# Altium PCB 宠物机器人&导购机器人.PcbDoc (part 2 of 14)
Units mil, origin at the board's own origin, x right, y up, seen from the top; angles counter-clockwise.
Board outline 6899.61 x 2204.72 mil, 2 copper layers (Top Layer, Bottom Layer); 229 components, 218 nets, 23463 pads, 263 vias.
Unrouted connection lines stored in the file: 107.
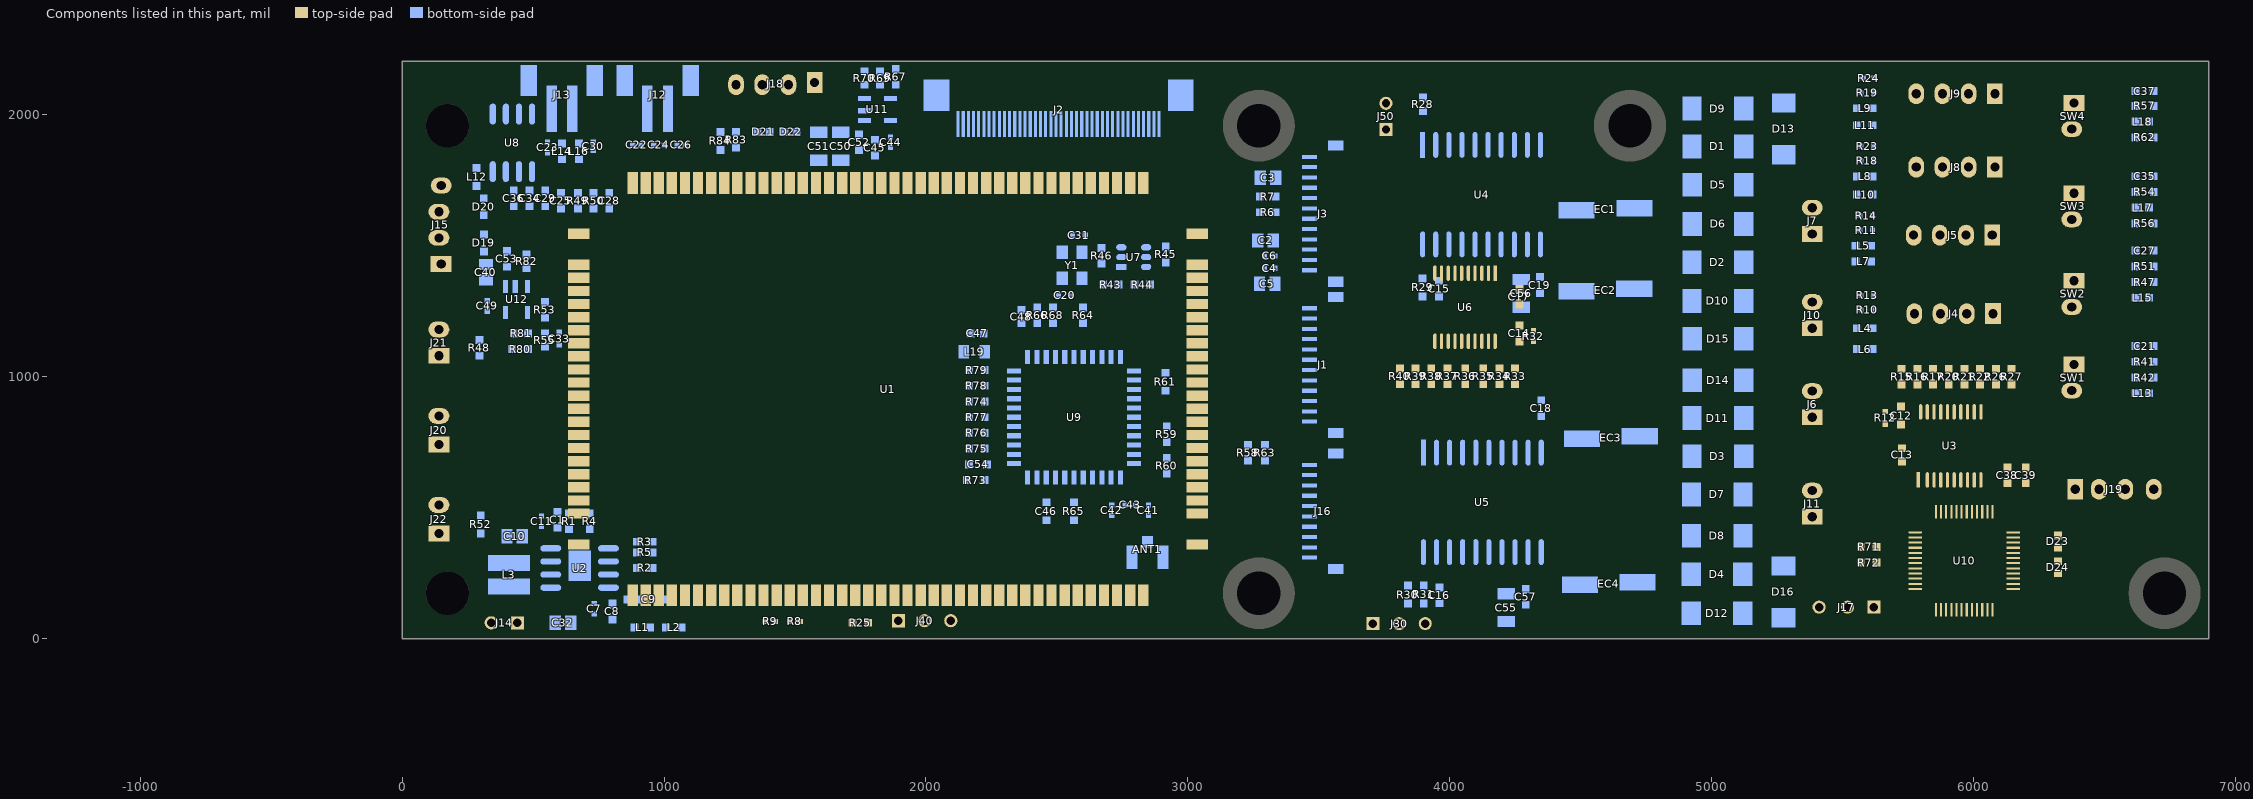
[diagram p2: the components of this part, seen from the top]

## Free pads (board coordinates)
  round 0.01 on Mech8: 1(-1218.48,-383.94) 1(-1218.48,-383.94) 1(-1218.48,-383.94) 1(-1218.48,-383.72) 1(-1218.48,-383.72) 1(-1218.48,-383.72) 1(-1218.48,-384.12) 1(-1218.48,-384.12) 1(-1218.48,-384.12) 1(-1218.48,-384.12) 1(-1218.48,-384.12) 1(-1218.48,-384.12) 1(-1218.48,-383.94) 1(-1218.48,-383.94) 1(-1218.48,-383.94) 1(-1218.48,-383.9) 1(-1218.48,-383.9) 1(-1218.48,-383.9) 1(-1218.48,-383.9) 1(-1218.48,-383.9) 1(-1218.48,-383.9) 1(-1218.48,-383.72) 1(-1218.48,-383.72) 1(-1218.48,-383.72) 1(-1218.44,-384.12) 1(-1218.44,-384.12) 1(-1218.44,-384.12) 1(-1218.44,-383.94) 1(-1218.44,-383.94) 1(-1218.44,-383.94) 1(-1218.44,-383.9) 1(-1218.44,-383.9) 1(-1218.44,-383.9) 1(-1218.44,-383.72) 1(-1218.44,-383.72) 1(-1218.44,-383.72) 1(-1218.43,-383.64) 1(-1218.43,-383.64) 1(-1218.43,-383.64) 1(-1218.43,-383.64) 1(-1218.43,-383.64) 1(-1218.43,-383.64) 1(-1218.43,-383.34) 1(-1218.43,-383.34) 1(-1218.43,-383.34) 1(-1218.43,-383.34) 1(-1218.43,-383.34) 1(-1218.43,-383.34) 1(-1218.42,-384.12) 1(-1218.42,-384.12) 1(-1218.42,-384.12) 1(-1218.42,-384.12) 1(-1218.42,-384.12) 1(-1218.42,-384.12) 1(-1218.42,-383.94) 1(-1218.42,-383.94) 1(-1218.42,-383.94) 1(-1218.42,-383.94) 1(-1218.42,-383.94) 1(-1218.42,-383.94) 1(-1218.42,-383.9) 1(-1218.42,-383.9) 1(-1218.42,-383.9) 1(-1218.42,-383.9) 1(-1218.42,-383.9) 1(-1218.42,-383.9) 1(-1218.42,-383.72) 1(-1218.42,-383.72) 1(-1218.42,-383.72) 1(-1218.42,-383.72) 1(-1218.42,-383.72) 1(-1218.42,-383.72) 1(-1218.41,-384.08) 1(-1218.41,-384.08) 1(-1218.41,-384.08) 1(-1218.41,-384) 1(-1218.41,-384) 1(-1218.41,-384) 1(-1218.41,-383.86) 1(-1218.41,-383.86) 1(-1218.41,-383.86) 1(-1218.41,-383.78) 1(-1218.41,-383.78) 1(-1218.41,-383.78) 1(-1218.28,-384.77) 1(-1218.28,-384.77) 1(-1218.28,-384.77) 1(-1218.28,-384.77) 1(-1218.28,-384.77) 1(-1218.28,-384.77) 1(-1218.28,-384.66) 1(-1218.28,-384.66) 1(-1218.28,-384.66) 1(-1218.28,-384.66) 1(-1218.28,-384.66) 1(-1218.28,-384.66) 1(-1218.22,-384.08) 1(-1218.22,-384.08) 1(-1218.22,-384.08) 1(-1218.22,-383.86) 1(-1218.22,-383.86) 1(-1218.22,-383.86) 1(-1218.22,-383.64) 1(-1218.22,-383.64) 1(-1218.22,-383.64) 1(-1218.22,-383.64) 1(-1218.22,-383.64) 1(-1218.22,-383.64) 1(-1218.22,-383.56) 1(-1218.22,-383.56) 1(-1218.22,-383.56) 1(-1218.22,-383.42) 1(-1218.22,-383.42) 1(-1218.22,-383.42) 1(-1218.22,-383.34) 1(-1218.22,-383.34) 1(-1218.22,-383.34) 1(-1218.22,-383.34) 1(-1218.22,-383.34) 1(-1218.22,-383.34) 1(-1218.22,-384) 1(-1218.22,-384) 1(-1218.22,-384) 1(-1218.22,-383.78) 1(-1218.22,-383.78) 1(-1218.22,-383.78) 1(-1218.2,-383.37) 1(-1218.2,-383.37) 1(-1218.2,-383.37) 1(-1218.2,-383.37) 1(-1218.2,-383.37) 1(-1218.2,-383.37) 1(-1218.2,-383.33) 1(-1218.2,-383.33) 1(-1218.2,-383.33) 1(-1218.2,-383.3) 1(-1218.2,-383.3) 1(-1218.2,-383.3) 1(-1218.2,-383.26) 1(-1218.2,-383.26) 1(-1218.2,-383.26) 1(-1218.2,-383.26) 1(-1218.2,-383.26) 1(-1218.2,-383.26) 1(-1218.18,-384.77) 1(-1218.18,-384.77) 1(-1218.18,-384.77) 1(-1218.18,-384.77) 1(-1218.18,-384.77) 1(-1218.18,-384.77) 1(-1218.18,-384.66) 1(-1218.18,-384.66) 1(-1218.18,-384.66) 1(-1218.18,-384.66) 1(-1218.18,-384.66) 1(-1218.18,-384.66) 1(-1218.15,-383.37) 1(-1218.15,-383.37) 1(-1218.15,-383.37) 1(-1218.15,-383.37) 1(-1218.15,-383.37) 1(-1218.15,-383.37) 1(-1218.15,-383.33) 1(-1218.15,-383.33) 1(-1218.15,-383.33) 1(-1218.15,-383.3) 1(-1218.15,-383.3) 1(-1218.15,-383.3) 1(-1218.15,-383.26) 1(-1218.15,-383.26) 1(-1218.15,-383.26) 1(-1218.15,-383.26) 1(-1218.15,-383.26) 1(-1218.15,-383.26) 1(-1218.15,-383.37) 1(-1218.15,-383.37) 1(-1218.15,-383.37) 1(-1218.15,-383.37) 1(-1218.15,-383.37) 1(-1218.15,-383.37) 1(-1218.15,-383.33) 1(-1218.15,-383.33) 1(-1218.15,-383.33) 1(-1218.15,-383.3) 1(-1218.15,-383.3) 1(-1218.15,-383.3) 1(-1218.15,-383.26) 1(-1218.15,-383.26) 1(-1218.15,-383.26) 1(-1218.15,-383.26) 1(-1218.15,-383.26) 1(-1218.15,-383.26) 1(-1218.13,-384.7) 1(-1218.13,-384.7) 1(-1218.13,-384.7) 1(-1218.13,-384.7) 1(-1218.13,-384.7) 1(-1218.13,-384.7) 1(-1218.13,-384.66) 1(-1218.13,-384.66) 1(-1218.13,-384.66) 1(-1218.13,-384.63) 1(-1218.13,-384.63) 1(-1218.13,-384.63) 1(-1218.13,-384.59) 1(-1218.13,-384.59) 1(-1218.13,-384.59) 1(-1218.13,-384.59) 1(-1218.13,-384.59) 1(-1218.13,-384.59) 1(-1218.1,-384.29) 1(-1218.1,-384.29) 1(-1218.1,-384.29) 1(-1218.1,-384.29) 1(-1218.1,-384.29) 1(-1218.1,-384.29) 1(-1218.1,-384.25) 1(-1218.1,-384.25) 1(-1218.1,-384.25) 1(-1218.1,-384.22) 1(-1218.1,-384.22) 1(-1218.1,-384.22) 1(-1218.1,-384.18) 1(-1218.1,-384.18) 1(-1218.1,-384.18) 1(-1218.1,-384.18) 1(-1218.1,-384.18) 1(-1218.1,-384.18) 1(-1218.1,-383.37) 1(-1218.1,-383.37) 1(-1218.1,-383.37) 1(-1218.1,-383.37) 1(-1218.1,-383.37) 1(-1218.1,-383.37) 1(-1218.1,-383.33) 1(-1218.1,-383.33) 1(-1218.1,-383.33) 1(-1218.1,-383.3) 1(-1218.1,-383.3) 1(-1218.1,-383.3) 1(-1218.1,-383.26) 1(-1218.1,-383.26) 1(-1218.1,-383.26) 1(-1218.1,-383.26) 1(-1218.1,-383.26) 1(-1218.1,-383.26) 1(-1218.08,-384.58) 1(-1218.08,-384.58) 1(-1218.08,-384.58) 1(-1218.08,-384.58) 1(-1218.08,-384.58) 1(-1218.08,-384.58) 1(-1218.08,-384.53) 1(-1218.08,-384.53) 1(-1218.08,-384.53) 1(-1218.08,-384.53) 1(-1218.08,-384.53) 1(-1218.08,-384.53) 1(-1218.08,-384.82) 1(-1218.08,-384.82) 1(-1218.08,-384.82) 1(-1218.08,-384.82) 1(-1218.08,-384.82) 1(-1218.08,-384.82) 1(-1218.08,-384.78) 1(-1218.08,-384.78) 1(-1218.08,-384.78) 1(-1218.08,-384.75) 1(-1218.08,-384.75) 1(-1218.08,-384.75) 1(-1218.08,-384.71) 1(-1218.08,-384.71) 1(-1218.08,-384.71) 1(-1218.08,-384.71) 1(-1218.08,-384.71) 1(-1218.08,-384.71) 1(-1218.08,-384.7) 1(-1218.08,-384.7) 1(-1218.08,-384.7) 1(-1218.08,-384.7) 1(-1218.08,-384.7) 1(-1218.08,-384.7) 1(-1218.08,-384.66) 1(-1218.08,-384.66) 1(-1218.08,-384.66) 1(-1218.08,-384.63) 1(-1218.08,-384.63) 1(-1218.08,-384.63) 1(-1218.08,-384.59) 1(-1218.08,-384.59) 1(-1218.08,-384.59) 1(-1218.08,-384.59) 1(-1218.08,-384.59) 1(-1218.08,-384.59) 1(-1218.08,-383.45) 1(-1218.08,-383.45) 1(-1218.08,-383.45) 1(-1218.08,-383.45) 1(-1218.08,-383.45) 1(-1218.08,-383.45) 1(-1218.08,-383.4) 1(-1218.08,-383.4) 1(-1218.08,-383.4) 1(-1218.08,-383.4) 1(-1218.08,-383.4) 1(-1218.08,-383.4) 1(-1218.07,-384.7) 1(-1218.07,-384.7) 1(-1218.07,-384.7) 1(-1218.07,-384.7) 1(-1218.07,-384.7) 1(-1218.07,-384.7) 1(-1218.07,-384.66) 1(-1218.07,-384.66) 1(-1218.07,-384.66) 1(-1218.07,-384.63) 1(-1218.07,-384.63) 1(-1218.07,-384.63) 1(-1218.07,-384.59) 1(-1218.07,-384.59) 1(-1218.07,-384.59) 1(-1218.07,-384.59) 1(-1218.07,-384.59) 1(-1218.07,-384.59) 1(-1218.07,-384.43) 1(-1218.07,-384.43) 1(-1218.07,-384.43) 1(-1218.07,-384.43) 1(-1218.07,-384.43) 1(-1218.07,-384.43) 1(-1218.07,-384.39) 1(-1218.07,-384.39) 1(-1218.07,-384.39) 1(-1218.07,-384.36) 1(-1218.07,-384.36) 1(-1218.07,-384.36) 1(-1218.07,-384.32) 1(-1218.07,-384.32) 1(-1218.07,-384.32) 1(-1218.07,-384.32) 1(-1218.07,-384.32) 1(-1218.07,-384.32) 1(-1218.07,-383.28) 1(-1218.07,-383.28) 1(-1218.07,-383.28) 1(-1218.07,-383.28) 1(-1218.07,-383.28) 1(-1218.07,-383.28) 1(-1218.07,-383.26) 1(-1218.07,-383.26) 1(-1218.07,-383.26) 1(-1218.07,-383.26) 1(-1218.07,-383.26) 1(-1218.07,-383.26) 1(-1218.07,-383.21) 1(-1218.07,-383.21) 1(-1218.07,-383.21) 1(-1218.07,-383.21) 1(-1218.07,-383.21) 1(-1218.07,-383.21) 1(-1218.07,-383.18) 1(-1218.07,-383.18) 1(-1218.07,-383.18) 1(-1218.07,-383.18) 1(-1218.07,-383.18) 1(-1218.07,-383.18) 1(-1218.05,-383.07) 1(-1218.05,-383.07) 1(-1218.05,-383.07) 1(-1218.05,-383.07) 1(-1218.05,-383.07) 1(-1218.05,-383.07) 1(-1218.05,-383.02) 1(-1218.05,-383.02) 1(-1218.05,-383.02) 1(-1218.05,-383.02) 1(-1218.05,-383.02) 1(-1218.05,-383.02) 1(-1218.05,-384.29) 1(-1218.05,-384.29) 1(-1218.05,-384.29) 1(-1218.05,-384.29) 1(-1218.05,-384.29) 1(-1218.05,-384.29) 1(-1218.05,-384.25) 1(-1218.05,-384.25) 1(-1218.05,-384.25) 1(-1218.05,-384.22) 1(-1218.05,-384.22) 1(-1218.05,-384.22) 1(-1218.05,-384.18) 1(-1218.05,-384.18) 1(-1218.05,-384.18) 1(-1218.05,-384.18) 1(-1218.05,-384.18) 1(-1218.05,-384.18) 1(-1218.04,-384.58) 1(-1218.04,-384.58) 1(-1218.04,-384.58) 1(-1218.04,-384.53) 1(-1218.04,-384.53) 1(-1218.04,-384.53) 1(-1218.04,-383.45) 1(-1218.04,-383.45) 1(-1218.04,-383.45) 1(-1218.04,-383.4) 1(-1218.04,-383.4) 1(-1218.04,-383.4) 1(-1218.04,-384.29) 1(-1218.04,-384.29) 1(-1218.04,-384.29) 1(-1218.04,-384.29) 1(-1218.04,-384.29) 1(-1218.04,-384.29) 1(-1218.04,-384.25) 1(-1218.04,-384.25) 1(-1218.04,-384.25) 1(-1218.04,-384.22) 1(-1218.04,-384.22) 1(-1218.04,-384.22) 1(-1218.04,-384.18) 1(-1218.04,-384.18) 1(-1218.04,-384.18) 1(-1218.04,-384.18) 1(-1218.04,-384.18) 1(-1218.04,-384.18) 1(-1218.03,-384.82) 1(-1218.03,-384.82) 1(-1218.03,-384.82) 1(-1218.03,-384.82) 1(-1218.03,-384.82) 1(-1218.03,-384.82) 1(-1218.03,-384.78) 1(-1218.03,-384.78) 1(-1218.03,-384.78) 1(-1218.03,-384.75) 1(-1218.03,-384.75) 1(-1218.03,-384.75) 1(-1218.03,-384.71) 1(-1218.03,-384.71) 1(-1218.03,-384.71) 1(-1218.03,-384.71) 1(-1218.03,-384.71) 1(-1218.03,-384.71) 1(-1218.02,-384.82) 1(-1218.02,-384.82) 1(-1218.02,-384.82) 1(-1218.02,-384.82) 1(-1218.02,-384.82) 1(-1218.02,-384.82) 1(-1218.02,-384.78) 1(-1218.02,-384.78) 1(-1218.02,-384.78) 1(-1218.02,-384.75) 1(-1218.02,-384.75) 1(-1218.02,-384.75) 1(-1218.02,-384.71) 1(-1218.02,-384.71) 1(-1218.02,-384.71) 1(-1218.02,-384.71) 1(-1218.02,-384.71) 1(-1218.02,-384.71) 1(-1218.02,-384.7) 1(-1218.02,-384.7) 1(-1218.02,-384.7) 1(-1218.02,-384.7) 1(-1218.02,-384.7) 1(-1218.02,-384.7) 1(-1218.02,-384.66) 1(-1218.02,-384.66) 1(-1218.02,-384.66) 1(-1218.02,-384.63) 1(-1218.02,-384.63) 1(-1218.02,-384.63) 1(-1218.02,-384.59) 1(-1218.02,-384.59) 1(-1218.02,-384.59) 1(-1218.02,-384.59) 1(-1218.02,-384.59) 1(-1218.02,-384.59) 1(-1218.02,-384.43) 1(-1218.02,-384.43) 1(-1218.02,-384.43) 1(-1218.02,-384.43) 1(-1218.02,-384.43) 1(-1218.02,-384.43) 1(-1218.02,-384.39) 1(-1218.02,-384.39) 1(-1218.02,-384.39) 1(-1218.02,-384.36) 1(-1218.02,-384.36) 1(-1218.02,-384.36) 1(-1218.02,-384.32) 1(-1218.02,-384.32) 1(-1218.02,-384.32) 1(-1218.02,-384.32) 1(-1218.02,-384.32) 1(-1218.02,-384.32) 1(-1218.01,-384.58) 1(-1218.01,-384.58) 1(-1218.01,-384.58) 1(-1218.01,-384.53) 1(-1218.01,-384.53) 1(-1218.01,-384.53) 1(-1218.01,-383.07) 1(-1218.01,-383.07) 1(-1218.01,-383.07) 1(-1218.01,-383.02) 1(-1218.01,-383.02) 1(-1218.01,-383.02) 1(-1218.01,-383.45) 1(-1218.01,-383.45) 1(-1218.01,-383.45) 1(-1218.01,-383.4) 1(-1218.01,-383.4) 1(-1218.01,-383.4) 1(-1217.99,-384.29) 1(-1217.99,-384.29) 1(-1217.99,-384.29) 1(-1217.99,-384.29) 1(-1217.99,-384.29) 1(-1217.99,-384.29) 1(-1217.99,-384.25) 1(-1217.99,-384.25) 1(-1217.99,-384.25) 1(-1217.99,-384.22) 1(-1217.99,-384.22) 1(-1217.99,-384.22) 1(-1217.99,-384.18) 1(-1217.99,-384.18) 1(-1217.99,-384.18) 1(-1217.99,-384.18) 1(-1217.99,-384.18) 1(-1217.99,-384.18) 1(-1217.98,-384.29) 1(-1217.98,-384.29) 1(-1217.98,-384.29) 1(-1217.98,-384.29) 1(-1217.98,-384.29) 1(-1217.98,-384.29) 1(-1217.98,-384.25) 1(-1217.98,-384.25) 1(-1217.98,-384.25) 1(-1217.98,-384.22) 1(-1217.98,-384.22) 1(-1217.98,-384.22) 1(-1217.98,-384.18) 1(-1217.98,-384.18) 1(-1217.98,-384.18) 1(-1217.98,-384.18) 1(-1217.98,-384.18) 1(-1217.98,-384.18) 1(-1217.98,-383.07) 1(-1217.98,-383.07) 1(-1217.98,-383.07) 1(-1217.98,-383.02) 1(-1217.98,-383.02) 1(-1217.98,-383.02) 1(-1217.97,-384.82) 1(-1217.97,-384.82) 1(-1217.97,-384.82) 1(-1217.97,-384.82) 1(-1217.97,-384.82) 1(-1217.97,-384.82) 1(-1217.97,-384.78) 1(-1217.97,-384.78) 1(-1217.97,-384.78) 1(-1217.97,-384.75) 1(-1217.97,-384.75) 1(-1217.97,-384.75) 1(-1217.97,-384.71) 1(-1217.97,-384.71) 1(-1217.97,-384.71) 1(-1217.97,-384.71) 1(-1217.97,-384.71) 1(-1217.97,-384.71) 1(-1217.97,-384.58) 1(-1217.97,-384.58) 1(-1217.97,-384.58) 1(-1217.97,-384.58) 1(-1217.97,-384.58) 1(-1217.97,-384.58) 1(-1217.97,-384.53) 1(-1217.97,-384.53) 1(-1217.97,-384.53) 1(-1217.97,-384.53) 1(-1217.97,-384.53) 1(-1217.97,-384.53) 1(-1217.97,-383.45) 1(-1217.97,-383.45) 1(-1217.97,-383.45) 1(-1217.97,-383.45) 1(-1217.97,-383.45) 1(-1217.97,-383.45) 1(-1217.97,-383.4) 1(-1217.97,-383.4) 1(-1217.97,-383.4) 1(-1217.97,-383.4) 1(-1217.97,-383.4) 1(-1217.97,-383.4) 1(-1217.96,-383.45) 1(-1217.96,-383.45) 1(-1217.96,-383.45) 1(-1217.96,-383.45) 1(-1217.96,-383.45) 1(-1217.96,-383.45) 1(-1217.96,-383.4) 1(-1217.96,-383.4) 1(-1217.96,-383.4) 1(-1217.96,-383.4) 1(-1217.96,-383.4) 1(-1217.96,-383.4) 1(-1217.94,-383.07) 1(-1217.94,-383.07) 1(-1217.94,-383.07) 1(-1217.94,-383.07) 1(-1217.94,-383.07) 1(-1217.94,-383.07) 1(-1217.94,-383.02) 1(-1217.94,-383.02) 1(-1217.94,-383.02) 1(-1217.94,-383.02) 1(-1217.94,-383.02) 1(-1217.94,-383.02) 1(-1217.93,-383.07) 1(-1217.93,-383.07) 1(-1217.93,-383.07) 1(-1217.93,-383.07) 1(-1217.93,-383.07) 1(-1217.93,-383.07) 1(-1217.93,-383.02) 1(-1217.93,-383.02) 1(-1217.93,-383.02) 1(-1217.93,-383.02) 1(-1217.93,-383.02) 1(-1217.93,-383.02) 1(-1217.93,-383.74) 1(-1217.93,-383.74) 1(-1217.93,-383.74) 1(-1217.93,-383.74) 1(-1217.93,-383.74) 1(-1217.93,-383.74) 1(-1217.93,-383.69) 1(-1217.93,-383.69) 1(-1217.93,-383.69) 1(-1217.93,-383.69) 1(-1217.93,-383.69) 1(-1217.93,-383.69) 1(-1217.93,-384.29) 1(-1217.93,-384.29) 1(-1217.93,-384.29) 1(-1217.93,-384.29) 1(-1217.93,-384.29) 1(-1217.93,-384.29) 1(-1217.93,-384.25) 1(-1217.93,-384.25) 1(-1217.93,-384.25) 1(-1217.93,-384.22) 1(-1217.93,-384.22) 1(-1217.93,-384.22) 1(-1217.93,-384.18) 1(-1217.93,-384.18) 1(-1217.93,-384.18) 1(-1217.93,-384.18) 1(-1217.93,-384.18) 1(-1217.93,-384.18) 1(-1217.92,-383.45) 1(-1217.92,-383.45) 1(-1217.92,-383.45) 1(-1217.92,-383.4) 1(-1217.92,-383.4) 1(-1217.92,-383.4) 1(-1217.91,-383.97) 1(-1217.91,-383.97) 1(-1217.91,-383.97) 1(-1217.91,-383.97) 1(-1217.91,-383.97) 1(-1217.91,-383.97) 1(-1217.91,-383.93) 1(-1217.91,-383.93) 1(-1217.91,-383.93) 1(-1217.91,-383.91) 1(-1217.91,-383.91) 1(-1217.91,-383.91) 1(-1217.91,-383.87) 1(-1217.91,-383.87) 1(-1217.91,-383.87) 1(-1217.91,-383.87) 1(-1217.91,-383.87) 1(-1217.91,-383.87) 1(-1217.89,-383.07) 1(-1217.89,-383.07) 1(-1217.89,-383.07) 1(-1217.89,-383.02) 1(-1217.89,-383.02) 1(-1217.89,-383.02) 1(-1217.89,-383.74) 1(-1217.89,-383.74) 1(-1217.89,-383.74) 1(-1217.89,-383.69) 1(-1217.89,-383.69) 1(-1217.89,-383.69) 1(-1217.89,-383.45) 1(-1217.89,-383.45) 1(-1217.89,-383.45) 1(-1217.89,-383.4) 1(-1217.89,-383.4) 1(-1217.89,-383.4) 1(-1217.87,-384.82) 1(-1217.87,-384.82) 1(-1217.87,-384.82) 1(-1217.87,-384.82) 1(-1217.87,-384.82) 1(-1217.87,-384.82) 1(-1217.87,-384.78) 1(-1217.87,-384.78) 1(-1217.87,-384.78) 1(-1217.87,-384.75) 1(-1217.87,-384.75) 1(-1217.87,-384.75) 1(-1217.87,-384.71) 1(-1217.87,-384.71) 1(-1217.87,-384.71) 1(-1217.87,-384.71) 1(-1217.87,-384.71) 1(-1217.87,-384.71) 1(-1217.87,-383.28) 1(-1217.87,-383.28) 1(-1217.87,-383.28) 1(-1217.87,-383.28) 1(-1217.87,-383.28) 1(-1217.87,-383.28) 1(-1217.87,-383.18) 1(-1217.87,-383.18) 1(-1217.87,-383.18) 1(-1217.87,-383.18) 1(-1217.87,-383.18) 1(-1217.87,-383.18) 1(-1217.86,-383.07) 1(-1217.86,-383.07) 1(-1217.86,-383.07) 1(-1217.86,-383.02) 1(-1217.86,-383.02) 1(-1217.86,-383.02) 1(-1217.86,-383.74) 1(-1217.86,-383.74) 1(-1217.86,-383.74) 1(-1217.86,-383.69) 1(-1217.86,-383.69) 1(-1217.86,-383.69) 1(-1217.85,-383.45) 1(-1217.85,-383.45) 1(-1217.85,-383.45) 1(-1217.85,-383.45) 1(-1217.85,-383.45) 1(-1217.85,-383.45) 1(-1217.85,-383.4) 1(-1217.85,-383.4) 1(-1217.85,-383.4) 1(-1217.85,-383.4) 1(-1217.85,-383.4) 1(-1217.85,-383.4) 1(-1217.85,-383.97) 1(-1217.85,-383.97) 1(-1217.85,-383.97) 1(-1217.85,-383.97) 1(-1217.85,-383.97) 1(-1217.85,-383.97) 1(-1217.85,-383.93) 1(-1217.85,-383.93) 1(-1217.85,-383.93) 1(-1217.85,-383.91) 1(-1217.85,-383.91) 1(-1217.85,-383.91) 1(-1217.85,-383.87) 1(-1217.85,-383.87) 1(-1217.85,-383.87) 1(-1217.85,-383.87) 1(-1217.85,-383.87) 1(-1217.85,-383.87) 1(-1217.83,-384.29) 1(-1217.83,-384.29) 1(-1217.83,-384.29) 1(-1217.83,-384.29) 1(-1217.83,-384.29) 1(-1217.83,-384.29) 1(-1217.83,-384.25) 1(-1217.83,-384.25) 1(-1217.83,-384.25) 1(-1217.83,-384.22) 1(-1217.83,-384.22) 1(-1217.83,-384.22) 1(-1217.83,-384.18) 1(-1217.83,-384.18) 1(-1217.83,-384.18) 1(-1217.83,-384.18) 1(-1217.83,-384.18) 1(-1217.83,-384.18) 1(-1217.82,-383.07) 1(-1217.82,-383.07) 1(-1217.82,-383.07) 1(-1217.82,-383.07) 1(-1217.82,-383.07) 1(-1217.82,-383.07) 1(-1217.82,-383.02) 1(-1217.82,-383.02) 1(-1217.82,-383.02) 1(-1217.82,-383.02) 1(-1217.82,-383.02) 1(-1217.82,-383.02) 1(-1217.82,-383.74) 1(-1217.82,-383.74) 1(-1217.82,-383.74) 1(-1217.82,-383.74) 1(-1217.82,-383.74) 1(-1217.82,-383.74) 1(-1217.82,-383.69) 1(-1217.82,-383.69) 1(-1217.82,-383.69) 1(-1217.82,-383.69) 1(-1217.82,-383.69) 1(-1217.82,-383.69) 1(-1217.82,-384.82) 1(-1217.82,-384.82) 1(-1217.82,-384.82) 1(-1217.82,-384.82) 1(-1217.82,-384.82) 1(-1217.82,-384.82) 1(-1217.82,-384.78) 1(-1217.82,-384.78) 1(-1217.82,-384.78) 1(-1217.82,-384.75) 1(-1217.82,-384.75) 1(-1217.82,-384.75) 1(-1217.82,-384.71) 1(-1217.82,-384.71) 1(-1217.82,-384.71) 1(-1217.82,-384.71) 1(-1217.82,-384.71) 1(-1217.82,-384.71) 1(-1217.82,-384.82) 1(-1217.82,-384.82) 1(-1217.82,-384.82) 1(-1217.82,-384.82) 1(-1217.82,-384.82) 1(-1217.82,-384.82) 1(-1217.82,-384.78) 1(-1217.82,-384.78) 1(-1217.82,-384.78) 1(-1217.82,-384.75) 1(-1217.82,-384.75) 1(-1217.82,-384.75) 1(-1217.82,-384.71) 1(-1217.82,-384.71) 1(-1217.82,-384.71) 1(-1217.82,-384.71) 1(-1217.82,-384.71) 1(-1217.82,-384.71) 1(-1217.79,-383.97) 1(-1217.79,-383.97) 1(-1217.79,-383.97) 1(-1217.79,-383.97) 1(-1217.79,-383.97) 1(-1217.79,-383.97) 1(-1217.79,-383.93) 1(-1217.79,-383.93) 1(-1217.79,-383.93) 1(-1217.79,-383.9) 1(-1217.79,-383.9) 1(-1217.79,-383.9) 1(-1217.79,-383.86) 1(-1217.79,-383.86) 1(-1217.79,-383.86) 1(-1217.79,-383.86) 1(-1217.79,-383.86) 1(-1217.79,-383.86) 1(-1217.78,-384.29) 1(-1217.78,-384.29) 1(-1217.78,-384.29) 1(-1217.78,-384.29) 1(-1217.78,-384.29) 1(-1217.78,-384.29) 1(-1217.78,-384.25) 1(-1217.78,-384.25) 1(-1217.78,-384.25) 1(-1217.78,-384.22) 1(-1217.78,-384.22) 1(-1217.78,-384.22) 1(-1217.78,-384.18) 1(-1217.78,-384.18) 1(-1217.78,-384.18) 1(-1217.78,-384.18) 1(-1217.78,-384.18) 1(-1217.78,-384.18) 1(-1217.77,-384.82) 1(-1217.77,-384.82) 1(-1217.77,-384.82) 1(-1217.77,-384.82) 1(-1217.77,-384.82) 1(-1217.77,-384.82) 1(-1217.77,-384.78) 1(-1217.77,-384.78) 1(-1217.77,-384.78) 1(-1217.77,-384.75) 1(-1217.77,-384.75) 1(-1217.77,-384.75) 1(-1217.77,-384.71) 1(-1217.77,-384.71) 1(-1217.77,-384.71) 1(-1217.77,-384.71) 1(-1217.77,-384.71) 1(-1217.77,-384.71) 1(-1217.76,-384.65) 1(-1217.76,-384.65) 1(-1217.76,-384.65) 1(-1217.76,-384.65) 1(-1217.76,-384.65) 1(-1217.76,-384.65) 1(-1217.76,-384.61) 1(-1217.76,-384.61) 1(-1217.76,-384.61) 1(-1217.76,-384.58) 1(-1217.76,-384.58) 1(-1217.76,-384.58) 1(-1217.76,-384.54) 1(-1217.76,-384.54) 1(-1217.76,-384.54) 1(-1217.76,-384.54) 1(-1217.76,-384.54) 1(-1217.76,-384.54) 1(-1217.76,-384.53) 1(-1217.76,-384.53) 1(-1217.76,-384.53) 1(-1217.76,-384.53) 1(-1217.76,-384.53) 1(-1217.76,-384.53) 1(-1217.76,-384.49) 1(-1217.76,-384.49) 1(-1217.76,-384.49) 1(-1217.76,-384.46) 1(-1217.76,-384.46) 1(-1217.76,-384.46) 1(-1217.76,-384.42) 1(-1217.76,-384.42) 1(-1217.76,-384.42) 1(-1217.76,-384.42) 1(-1217.76,-384.42) 1(-1217.76,-384.42) 1(-1217.76,-384.41) 1(-1217.76,-384.41) 1(-1217.76,-384.41) 1(-1217.76,-384.41) 1(-1217.76,-384.41) 1(-1217.76,-384.41) 1(-1217.76,-384.37) 1(-1217.76,-384.37) 1(-1217.76,-384.37) 1(-1217.76,-384.34) 1(-1217.76,-384.34) 1(-1217.76,-384.34) 1(-1217.76,-384.3) 1(-1217.76,-384.3) 1(-1217.76,-384.3) 1(-1217.76,-384.3) 1(-1217.76,-384.3) 1(-1217.76,-384.3) 1(-1217.76,-384.29) 1(-1217.76,-384.29) 1(-1217.76,-384.29) 1(-1217.76,-384.29) 1(-1217.76,-384.29) 1(-1217.76,-384.29) 1(-1217.76,-384.25) 1(-1217.76,-384.25) 1(-1217.76,-384.25) 1(-1217.76,-384.22) 1(-1217.76,-384.22) 1(-1217.76,-384.22) 1(-1217.76,-384.18) 1(-1217.76,-384.18) 1(-1217.76,-384.18) 1(-1217.76,-384.18) 1(-1217.76,-384.18) 1(-1217.76,-384.18) 1(-1217.76,-384.82) 1(-1217.76,-384.82) 1(-1217.76,-384.82) 1(-1217.76,-384.82) 1(-1217.76,-384.82) 1(-1217.76,-384.82) 1(-1217.76,-384.78) 1(-1217.76,-384.78) 1(-1217.76,-384.78) 1(-1217.76,-384.75) 1(-1217.76,-384.75) 1(-1217.76,-384.75) 1(-1217.76,-384.71) 1(-1217.76,-384.71) 1(-1217.76,-384.71) 1(-1217.76,-384.71) 1(-1217.76,-384.71) 1(-1217.76,-384.71) 1(-1217.75,-384.12) 1(-1217.75,-384.12) 1(-1217.75,-384.12) 1(-1217.75,-384.12) 1(-1217.75,-384.12) 1(-1217.75,-384.12) 